# Altium PCB PowerElec.PcbDoc (part 1 of 2) (continued)
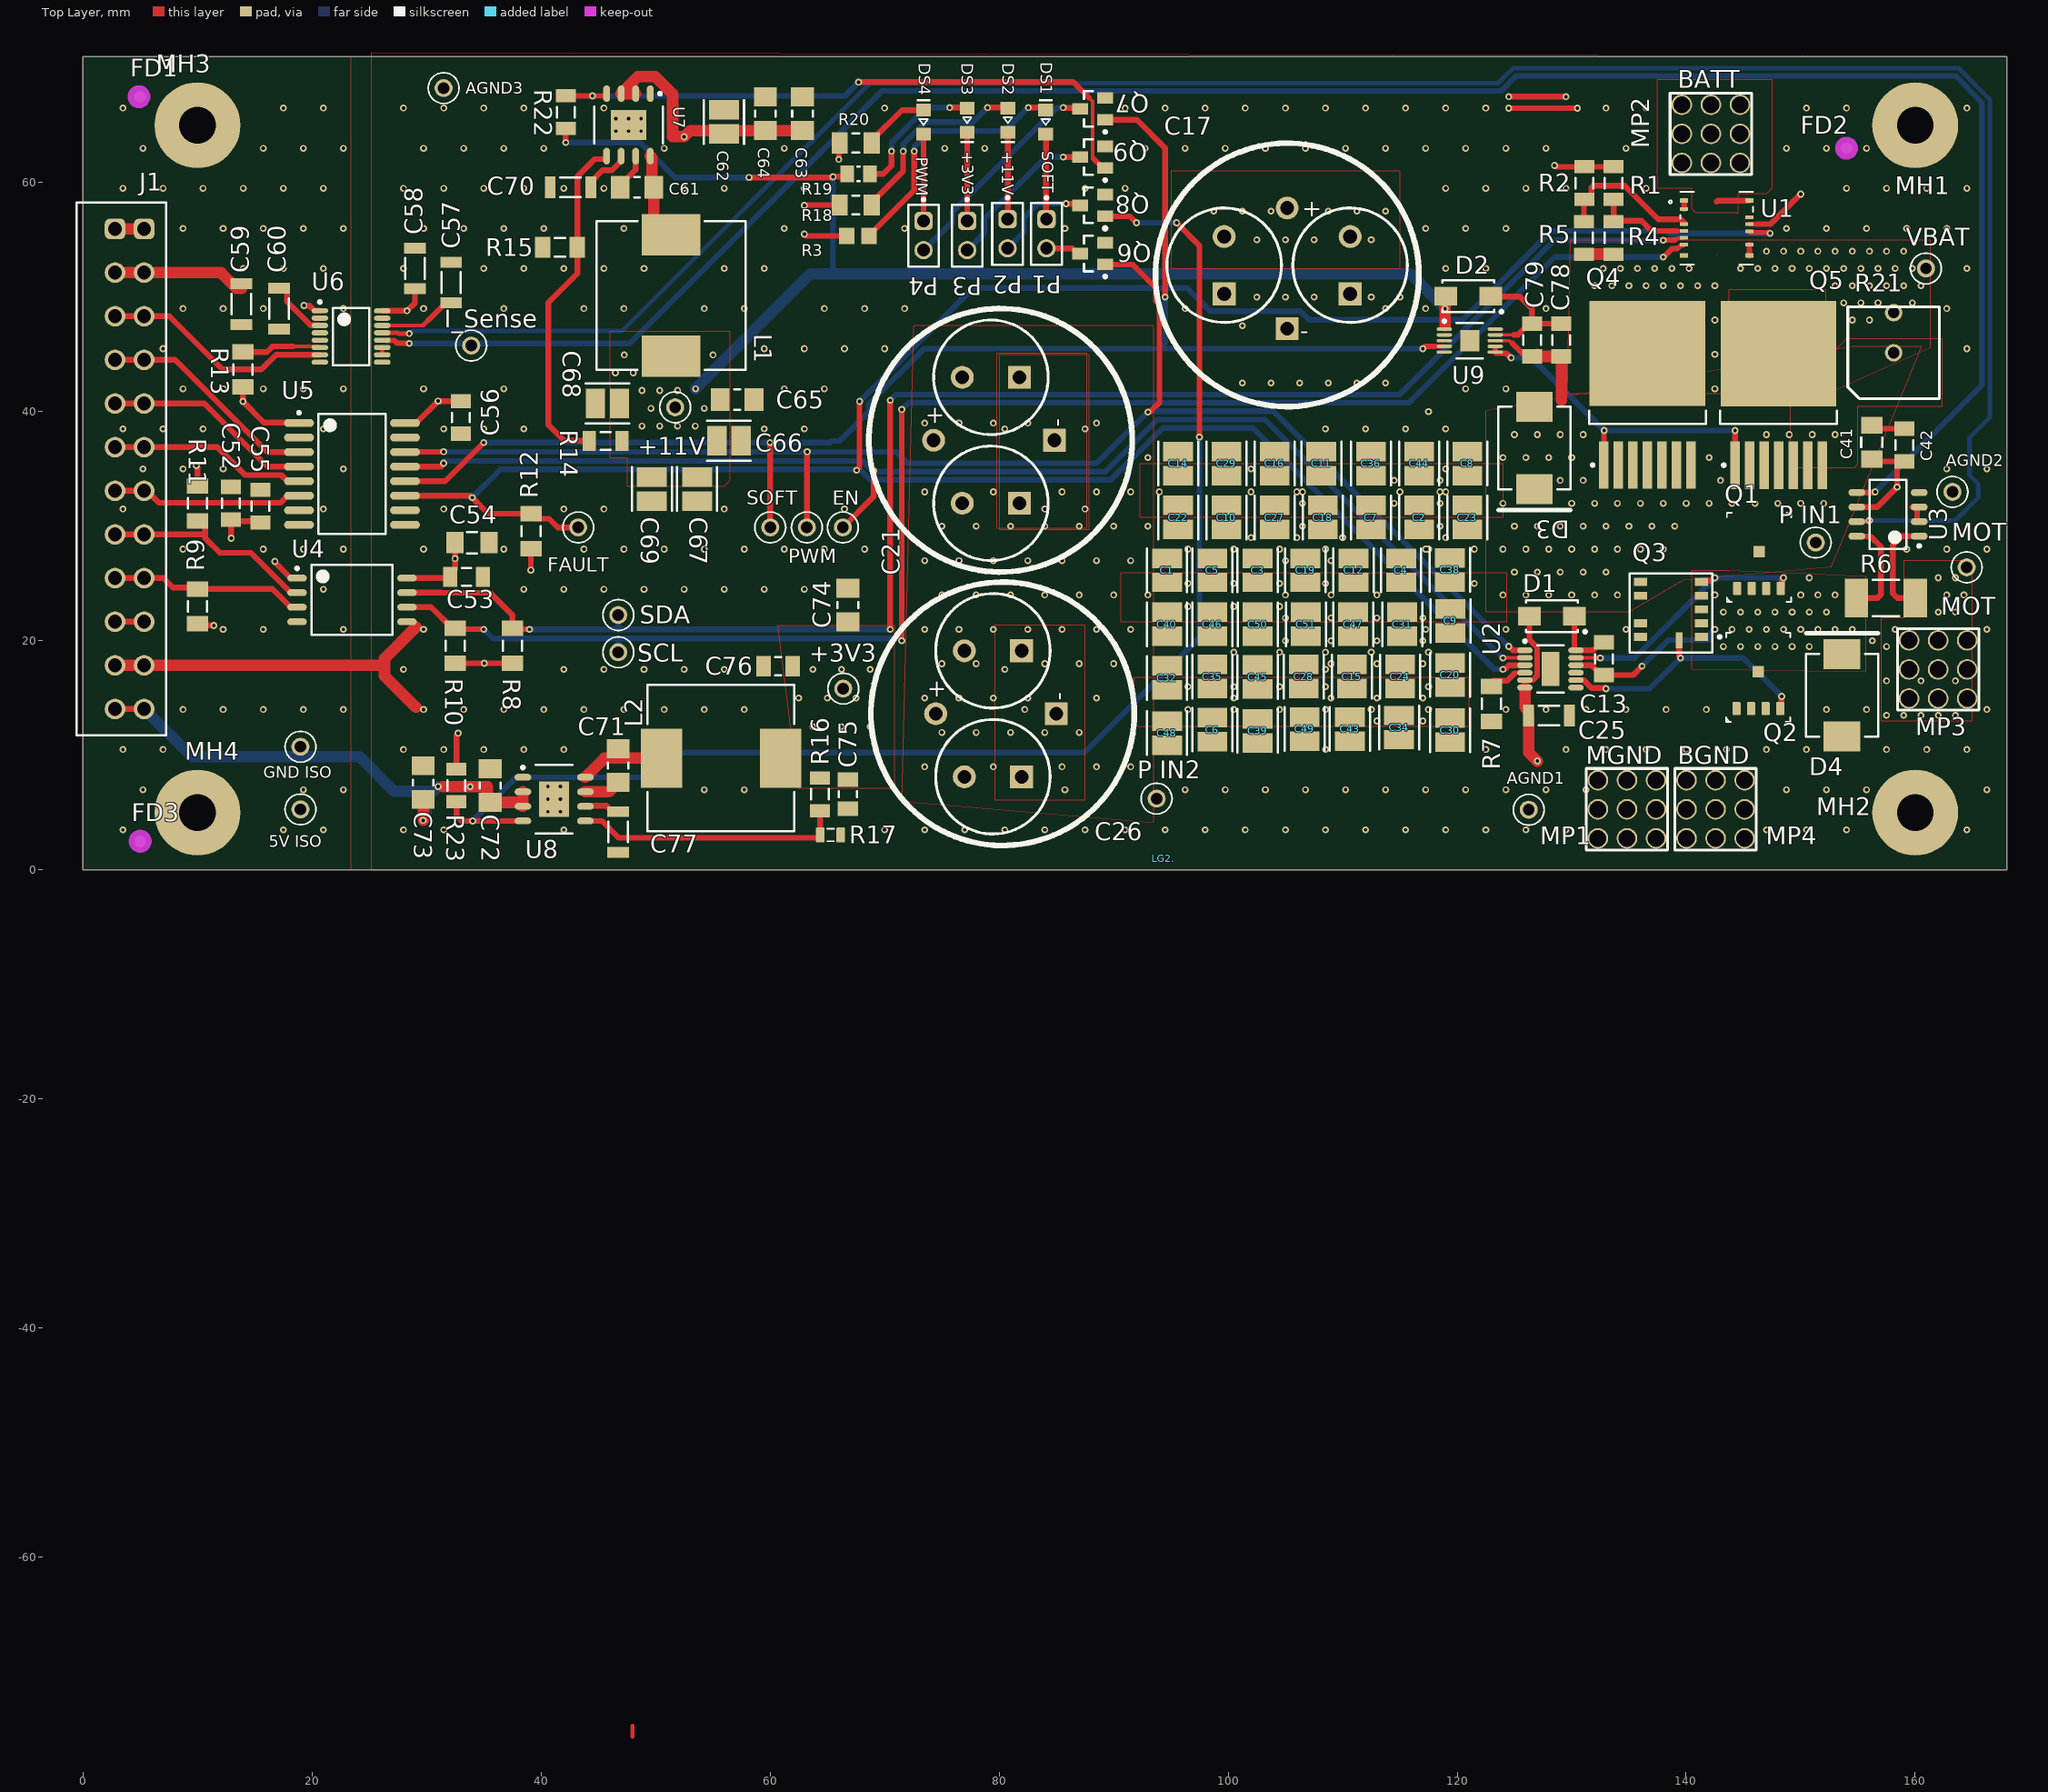
[diagram p0: Top Layer view]
## Design rules (kind name [scope] priority, off if disabled: settings) (continued)
PasteMaskExpansion [All] p0: scope1count=1 scope1_0_kind=Board scope1_0_value=Board scope2count=1 scope2_0_kind=Board scope2_0_value=Board commentlength=0 expansion=0
PlaneClearance [All] p0: scope1count=1 scope1_0_kind=Board scope1_0_value=Board scope2count=1 scope2_0_kind=Board scope2_0_value=Board commentlength=0 clearance=0.508
PlaneConnect [All] p0: scope1count=1 scope1_0_kind=Board scope1_0_value=Board scope2count=1 scope2_0_kind=Board scope2_0_value=Board commentlength=0 planeconnectstyle=Direct reliefexpansion=0.508 reliefentries=4 reliefconductorwidth=0.254 reliefairgap=0.254
PlaneConnect [All] p1: planeconnectstyle=Direct reliefexpansion=0.508 reliefentries=4 reliefconductorwidth=0.254 reliefairgap=0.254
PolygonConnect [All] p0: scope1count=1 scope1_0_kind=Board scope1_0_value=Board scope2count=1 scope2_0_kind=Board scope2_0_value=Board commentlength=0 connectstyle=Direct reliefconductorwidth=0.254 reliefentries=4 polygonreliefangle="90 Angle"
PolygonConnect [All] p1: connectstyle=Direct reliefconductorwidth=0.254 reliefentries=4 polygonreliefangle="90 Angle" airgapwidth=0.254
RoutingCorners [All] p0: scope1count=1 scope1_0_kind=Board scope1_0_value=Board scope2count=1 scope2_0_kind=Board scope2_0_value=Board commentlength=0 cornerstyle=45-Degree minsetback=2.54 maxsetback=2.54
RoutingLayers [All] p0: scope1count=1 scope1_0_kind=Board scope1_0_value=Board scope2count=1 scope2_0_kind=Board scope2_0_value=Board commentlength=0 top layer=Automatic mid layer 1=Automatic mid layer 2=Automatic bottom layer=Automatic
RoutingPriority [All] p0: scope1count=1 scope1_0_kind=Board scope1_0_value=Board scope2count=1 scope2_0_kind=Board scope2_0_value=Board commentlength=0
RoutingTopology [All] p0: scope1count=1 scope1_0_kind=Board scope1_0_value=Board scope2count=1 scope2_0_kind=Board scope2_0_value=Board commentlength=0 topology=Shortest
RoutingVias [All] p0: scope1count=1 scope1_0_kind=Board scope1_0_value=Board scope2count=1 scope2_0_kind=Board scope2_0_value=Board commentlength=0 holewidth=0.305 width=0.61 viastyle="Through Hole" minholewidth=0.305 minwidth=0.61 maxholewidth=0.61 maxwidth=1.219
RoutingVias [All] p1: holewidth=0.305 width=0.61 viastyle="Through Hole" minholewidth=0.305 minwidth=0.61 maxholewidth=0.61 maxwidth=1.219
ShortCircuit [All] p0: scope1count=1 scope1_0_kind=Board scope1_0_value=Board scope2count=1 scope2_0_kind=Board scope2_0_value=Board commentlength=0 allowed=FALSE
SilkToBoardRegionClearance [All] p0: scope1count=1 scope1_0_kind=Board scope1_0_value=Board scope2count=1 scope2_0_kind=Board scope2_0_value=Board commentlength=0
SilkToSilkClearance [All] p0: scope1count=1 scope1_0_kind=Board scope1_0_value=Board scope2count=1 scope2_0_kind=Board scope2_0_value=Board commentlength=0
SilkToSolderMaskClearance [All] p0 off: scope1count=1 scope1_0_kind=Board scope1_0_value=Board scope2count=1 scope2_0_kind=Board scope2_0_value=Board commentlength=44 // Protel DXP Scope 1 Expression Was: IsPad
SolderMaskExpansion SolderMaskExpansion_ADuM3190 [All] p0: scope1count=1 scope1_0_kind=Component scope1_0_value=U6 scope2count=1 scope2_0_kind=Board scope2_0_value=Board commentlength=0 expansion=0.025
SolderMaskExpansion SolderMaskExpansion_LTC7004 [All] p0: scope1count=1 scope1_0_kind=Component scope1_0_value=U9 scope2count=1 scope2_0_kind=Board scope2_0_value=Board commentlength=0 expansion=0.051
SolderMaskExpansion SolderMaskExpansion_LTC7063 [All] p0: scope1count=1 scope1_0_kind=Component scope1_0_value=U2 scope2count=1 scope2_0_kind=Board scope2_0_value=Board commentlength=0 expansion=0.025
SolderMaskExpansion [All] p0: scope1count=1 scope1_0_kind=Board scope1_0_value=Board scope2count=1 scope2_0_kind=Board scope2_0_value=Board commentlength=0 expansion=0.102
SolderMaskExpansion SolderMaskExpansion_LTC7004 [InComponent('U9')] p1: expansion=0.051 istentingtop=FALSE
SolderMaskExpansion SolderMaskExpansion_LTC7063 [InComponent('U2')] p2: expansion=0.025 istentingtop=FALSE
SolderMaskExpansion SolderMaskExpansion_ADuM3190 [InComponent('U6')] p3: expansion=0.025 istentingtop=FALSE
SolderMaskExpansion [All] p4: expansion=0.102 istentingtop=FALSE
SupplyNets "Schematic Supply Nets_2" [All] p0: scope1count=1 scope1_0_kind=Net scope1_0_value="+5V ISO" scope2count=1 scope2_0_kind=Board scope2_0_value=Board commentlength=0 voltage=0.000
SupplyNets "Schematic Supply Nets_4" [All] p0: scope1count=1 scope1_0_kind=Net scope1_0_value=+11V scope2count=1 scope2_0_kind=Board scope2_0_value=Board commentlength=0 voltage=0.000
SupplyNets "Schematic Supply Nets_9" [All] p0: scope1count=1 scope1_0_kind=Net scope1_0_value=P_IN scope2count=1 scope2_0_kind=Board scope2_0_value=Board commentlength=0 voltage=0.000
SupplyNets "Schematic Supply Nets_7" [All] p0: scope1count=1 scope1_0_kind=Net scope1_0_value="GND ISO" scope2count=1 scope2_0_kind=Board scope2_0_value=Board commentlength=0 voltage=0.000
SupplyNets "Schematic Supply Nets_3" [All] p0: scope1count=1 scope1_0_kind=Net scope1_0_value=+3V3 scope2count=1 scope2_0_kind=Board scope2_0_value=Board commentlength=0 voltage=0.000
SupplyNets "Schematic Supply Nets_1" [All] p0: scope1count=1 scope1_0_kind=Net scope1_0_value=AGND scope2count=1 scope2_0_kind=Board scope2_0_value=Board commentlength=0 voltage=0.000
SupplyNets "Schematic Supply Nets" [All] p0: scope1count=1 scope1_0_kind=Net scope1_0_value=VBat scope2count=1 scope2_0_kind=Board scope2_0_value=Board commentlength=0 voltage=0.000
SupplyNets "Schematic Supply Nets_2" [InNet('+5V ISO')] p1: voltage=0.000
SupplyNets "Schematic Supply Nets_4" [InNet('+11V')] p2: voltage=0.000
SupplyNets "Schematic Supply Nets_9" [InNet('P_IN')] p3: voltage=0.000
SupplyNets "Schematic Supply Nets_7" [InNet('GND ISO')] p4: voltage=0.000
SupplyNets "Schematic Supply Nets_3" [InNet('+3V3')] p5: voltage=0.000
SupplyNets "Schematic Supply Nets_1" [InNet('AGND')] p6: voltage=0.000
SupplyNets "Schematic Supply Nets" [InNet('VBat')] p7: voltage=0.000
UnRoutedNet [All] p0: scope1count=1 scope1_0_kind=Board scope1_0_value=Board scope2count=1 scope2_0_kind=Board scope2_0_value=Board commentlength=0
UnpouredPolygon [All] p0: scope1count=1 scope1_0_kind=Board scope1_0_value=Board scope2count=1 scope2_0_kind=Board scope2_0_value=Board commentlength=0
Width [All] p0: scope1count=1 scope1_0_kind=Board scope1_0_value=Board scope2count=1 scope2_0_kind=Board scope2_0_value=Board commentlength=0 maxlimit=1 minlimit=0.254 preferedwidth=0.5
Width [All] p1: maxlimit=1 minlimit=0.254 preferedwidth=0.5
28 further rules are at their usual default settings.

## Classes and differential pairs
component class Mechanical: FD1 FD2 FD3 LG1 LG2 LG2. MH1 MH2 MH3 MH4
component class Isolation: C52 C53 C54 C55 C56 C57 C58 C59 C60 "GND ISO" R8 R9 R10 R11 R12 R13 U4 U5 U6
component class "Soft Start": C78 C79 D2 DS4 P4 Q4 Q5 Q7 R20 R21 U9
component class "Power Supply": +3V3 +11V C61 C62 C63 C64 C65 C66 C67 C68 C69 C70 C71 C72 C73 C74 C75 C76 C77 DS2 DS3 L1 L2 P2 P3 Q8 Q9 R14 R15 R16 R17 R18 R19 R22 R23 U7 U8
component class "Power Stage": C1 C2 C3 C4 C5 C6 C7 C8 C9 C10 C11 C12 C13 C14 C15 C16 C17 C18 C19 C20 C21 C22 C23 C24 C25 C26 C27 C28 C29 C30 C31 C32 C34 C35 C36 C38 C39 C40 C41 C42 C43 C44 C45 C46 C47 C48 C49 C50 C51 D1 D3 D4 DS1 P1 Q1 Q2 Q3 Q6 R3 R6 R7 U2 U3
component class PE: AGND1 AGND2 AGND3 EN FAULT I_Sense J1 MOT MP1 MP2 MP3 MP4 "P IN1" "P IN2" PWM R1 R2 R4 R5 SCL SDA SOFT U1 VBAT

## Components (designator, comment, footprint, x,y, rotation, side; value= is the part's Value field where it differs from the comment)
"5V ISO" "5000" FP-5000-MFG 19,5.282 r180 top
+3V3 "5000" FP-5000-MFG 66.396,15.824 r90 top
+11V "5000" FP-5000-MFG 51.714,40.386 r0 top
AGND1 "5001" FP-5001-MFG 126.25,5.25 r0 top
AGND2 "5001" FP-5001-MFG 163.25,33 r0 top
AGND3 "5001" FP-5001-MFG 31.5,68.25 r180 top
C1 "GCM32EC71H106KA03L" FP-GCM32E-0_3-IPC_C 94.668,26.152 r90 top locked
C2 "GCM32EC71H106KA03L" FP-GCM32E-0_3-IPC_C 116.684,30.763 r90 top locked
C3 "GCM32EC71H106KA03L" FP-GCM32E-0_3-IPC_C 102.577,26.152 r90 top locked
C4 "GCM32EC71H106KA03L" FP-GCM32E-0_3-IPC_C 115.107,26.152 r90 top locked
C5 "GCM32EC71H106KA03L" FP-GCM32E-0_3-IPC_C 98.623,26.152 r270 top locked
C6 "GCM32EC71H106KA03L" FP-GCM32E-0_3-IPC_C 98.623,12.242 r270 top locked
C7 "GCM32EC71H106KA03L" FP-GCM32E-0_3-IPC_C 112.476,30.763 r270 top locked
C8 "GCM32EC71H106KA03L" FP-GCM32E-0_3-IPC_C 120.892,35.475 r270 top locked
C9 "GCM32EC71H106KA03L" FP-GCM32E-0_3-IPC_C 119.415,21.73 r270 top locked
C10 "GCM32EC71H106KA03L" FP-GCM32E-0_3-IPC_C 99.852,30.763 r270 top locked
C11 "GCM32EC71H106KA03L" FP-GCM32E-0_3-IPC_C 108.14,35.475 r270 top locked
C12 "GCM32EC71H106KA03L" FP-GCM32E-0_3-IPC_C 110.952,26.152 r90 top locked
C13 "C1206C104K1RACTU" CAPC3216X06N 132.824,18.429 r90 top locked
C14 "GCM32EC71H106KA03L" FP-GCM32E-0_3-IPC_C 95.644,35.475 r90 top locked
C15 "GCM32EC71H106KA03L" FP-GCM32E-0_3-IPC_C 110.808,16.88 r270 top locked
C16 "GCM32EC71H106KA03L" FP-GCM32E-0_3-IPC_C 104.06,35.475 r90 top locked
C17 "UVR1J472MRD" UVR1J472MRD-Footprint-1 105.156,57.785 r0 top locked
C18 "GCM32EC71H106KA03L" FP-GCM32E-0_3-IPC_C 108.268,30.763 r270 top locked
C19 "GCM32EC71H106KA03L" FP-GCM32E-0_3-IPC_C 106.744,26.152 r270 top locked
C20 "GCM32EC71H106KA03L" FP-GCM32E-0_3-IPC_C 119.38,17.018 r90 top locked
C21 "UVR1J472MRD" UVR1J472MRD-Footprint-1 74.288,37.504 r90 top locked
C22 "GCM32EC71H106KA03L" FP-GCM32E-0_3-IPC_C 95.644,30.763 r270 top locked
C23 "GCM32EC71H106KA03L" FP-GCM32E-0_3-IPC_C 120.892,30.763 r90 top locked
C24 "GCM32EC71H106KA03L" FP-GCM32E-0_3-IPC_C 115.016,16.88 r90 top locked
C25 "CL31B105KBHNNNE" CAPC3216X180X20ML20 128.016,13.462 r180 top locked
C26 "UVR1J472MRD" UVR1J472MRD-Footprint-1 74.464,13.628 r90 top locked
C27 "GCM32EC71H106KA03L" FP-GCM32E-0_3-IPC_C 104.06,30.763 r270 top locked
C28 "GCM32EC71H106KA03L" FP-GCM32E-0_3-IPC_C 106.6,16.88 r270 top locked
C29 "GCM32EC71H106KA03L" FP-GCM32E-0_3-IPC_C 99.852,35.475 r90 top locked
C30 "GCM32EC71H106KA03L" FP-GCM32E-0_3-IPC_C 119.38,12.192 r270 top locked
C31 "GCM32EC71H106KA03L" FP-GCM32E-0_3-IPC_C 115.207,21.439 r90 top locked
C32 "GCM32EC71H106KA03L" FP-GCM32E-0_3-IPC_C 94.669,16.764 r90 top locked
C34 "GCM32EC71H106KA03L" FP-GCM32E-0_3-IPC_C 114.928,12.422 r270 top locked
C35 "GCM32EC71H106KA03L" FP-GCM32E-0_3-IPC_C 98.623,16.88 r270 top locked
C36 "GCM32EC71H106KA03L" FP-GCM32E-0_3-IPC_C 112.476,35.475 r90 top locked
C38 "GCM32EC71H106KA03L" FP-GCM32E-0_3-IPC_C 119.366,26.189 r90 top locked
C39 "GCM32EC71H106KA03L" FP-GCM32E-0_3-IPC_C 102.577,12.139 r90 top locked
C40 "GCM32EC71H106KA03L" FP-GCM32E-0_3-IPC_C 94.668,21.439 r270 top locked
C41 "CL31B102KGFNNNE" FP-CL31-IPC_A 156.21,37.338 r90 top locked
C42 "C1206C104K1RACTU" CAPC3216X06N 159.043,37.084 r90 top locked
C43 "GCM32EC71H106KA03L" FP-GCM32E-0_3-IPC_C 110.634,12.289 r270 top locked
C44 "GCM32EC71H106KA03L" FP-GCM32E-0_3-IPC_C 116.684,35.475 r270 top locked
C45 "GCM32EC71H106KA03L" FP-GCM32E-0_3-IPC_C 102.577,16.839 r90 top locked
C46 "GCM32EC71H106KA03L" FP-GCM32E-0_3-IPC_C 98.623,21.439 r270 top locked
C47 "GCM32EC71H106KA03L" FP-GCM32E-0_3-IPC_C 110.917,21.439 r90 top locked
C48 "GCM32EC71H106KA03L" FP-GCM32E-0_3-IPC_C 94.669,11.938 r270 top locked
C49 "GCM32EC71H106KA03L" FP-GCM32E-0_3-IPC_C 106.68,12.289 r270 top locked
C50 "GCM32EC71H106KA03L" FP-GCM32E-0_3-IPC_C 102.587,21.439 r90 top locked
C51 "GCM32EC71H106KA03L" FP-GCM32E-0_3-IPC_C 106.795,21.439 r270 top locked
C52 "C1206C104K1RACTU" CAPC3216X06N 12.94,32.004 r270 top locked
C53 "C1206C104K1RACTU" CAPC3216X06N 33.5,25.565 r180 top locked
C54 "CL31B102KGFNNNE" FP-CL31-IPC_A 33.976,28.565 r180 top locked
C55 "C1206C104K1RACTU" CAPC3216X06N 15.494,31.75 r270 top locked
C56 "C1206C104K1RACTU" CAPC3216X06N 33,39.5 r90 top locked
C57 "CL31B105KBHNNNE" CAPC3216X180X20ML20 32.154,51.275 r270 top locked
C58 "CL31B105KBHNNNE" CAPC3216X180X20ML20 29,52.5 r270 top locked
C59 "CL31B105KBHNNNE" CAPC3216X180X20ML20 13.846,49.392 r90 top locked
C60 "CL31B105KBHNNNE" CAPC3216X180X20ML20 17.124,49 r90 top locked
C61 "CL31B104KBCNNNC" CAPC3216X190X55ML30T25 48.384,59.581 r0 top locked
C62 "GCM32EC71H106KA03L" FP-GCM32E-0_3-IPC_C 55.979,65.293 r270 top locked
C63 "CL31B104KBCNNNC" CAPC3216X190X55ML30T25 62.837,66.015 r270 top locked
C64 "CL31B104KBCNNNC" CAPC3216X190X55ML30T25 59.583,66.015 r270 top locked
C65 "CL31B104KBCNNNC" CAPC3216X190X55ML30T25 57.128,41.063 r180 top locked
C66 "GCM32EC71H106KA03L" FP-GCM32E-0_3-IPC_C 56.405,37.459 r180 top locked
C67 "GCM32EC71H106KA03L" FP-GCM32E-0_3-IPC_C 53.633,33.253 r90 top locked
C68 "GCM32EC71H106KA03L" FP-GCM32E-0_3-IPC_C 45.804,40.713 r0 top locked
C69 "GCM32EC71H106KA03L" FP-GCM32E-0_3-IPC_C 49.679,33.253 r90 top locked
C70 "CL31B105KBHNNNE" CAPC3216X180X20ML20 42.58,59.581 r0 top locked
C71 "CL31B104KBCNNNC" CAPC3216X190X55ML30T25 46.736,9.109 r90 top locked
C72 "CL31B104KBCNNNC" CAPC3216X190X55ML30T25 35.56,7.366 r270 top locked
C73 "CL31B104KBCNNNC" CAPC3216X190X55ML30T25 29.718,7.62 r270 top locked
C74 "CL31B104KBCNNNC" CAPC3216X190X55ML30T25 66.802,23.114 r270 top locked
C75 "CL31A476MPHNNNE" CAPC3216X190X55LL30T25 66.802,6.604 r90 top locked
C76 "CL31A476MPHNNNE" CAPC3216X190X55LL30T25 60.706,17.78 r0 top locked
C77 "CL31B105KBHNNNE" CAPC3216X180X20ML20 46.736,3.305 r90 top locked
C78 "C1206C104K1RACTU" CAPC3216X06N 129.091,46.253 r90 top locked
C79 "C1206C104K1RACTU" CAPC3216X06N 126.537,46.253 r90 top locked
D1 "SS210" DIOM4226X24N 128.27,22.146 r180 top locked
D2 "SS210" DIOM4226X24N 120.972,50.082 r180 top locked
D3 "SMCJ28A" FAIR-DO-214AB-2_V 126.746,36.83 r270 top locked
D4 "SMCJ28A" FAIR-DO-214AB-2_V 153.605,15.24 r90 top locked
DS1 "KT-0805G" WL-SMCW_0805_150080xx75000 84.074,65.278 r270 top locked
DS2 "NCD0805R1" "Copy of WL-SMCW_0805_150080xx75000" 80.772,65.453 r90 top locked
DS3 "NCD0805R1" "Copy of WL-SMCW_0805_150080xx75000" 77.216,65.453 r90 top locked
DS4 "KT-0805G" WL-SMCW_0805_150080xx75000 73.406,65.278 r270 top locked
EN "5002" FP-5002-MFG 66.36,29.896 r0 top
FAULT "5002" FP-5002-MFG 43.25,29.896 r180 top
FD1 "FID1X2R" FID1X2R#1 4.894,67.5 r0 top locked
FD2 "FID1X2R" FID1X2R#2 154,63 r90 top locked
FD3 "FID1X2R" FID1X2R#2 5,2.5 r90 top locked
"GND ISO" "5001" FP-5001-MFG 19,10.75 r180 top
I_Sense "5002" FP-5002-MFG 33.909,45.771 r180 top
J1 "691309310012" 691309310012 0,35 r270 top locked
L1 "SRR1208-220ML" INDP127127X85N 51.356,50.142 r270 top locked
L2 "SRR1260A-5R6Y" INDP125125X60N 55.715,9.758 r0 top locked
LG1 "SEM LOGO" "SEM LOGO-Footprint-1" 61,4 r180 bottom
LG2 "Geec Logo" "Geec Logo-Footprint-1" 38,40 r180 bottom
LG2. "Geec Logo" "Geec Logo-Footprint-1" 94.323,1 r0 top
MH1 "M3 Hole" "M3 Hole-Footprint-1"#1 160,65 r0 top locked
MH2 "M3 Hole" "M3 Hole-Footprint-1"#1 160,5 r0 top locked
MH3 "M3 Hole" "M3 Hole-Footprint-1"#1 10,65 r0 top locked
MH4 "M3 Hole" "M3 Hole-Footprint-1"#2 12.5,5 r0 top locked
MOT "5000" FP-5000-MFG 164.49,26.416 r0 top
MP1 "7461001" "7461001_chemical surface" 134.827,5.289 r90 top locked
MP2 "7461001" "7461001_chemical surface" 142.156,64.254 r0 top locked
MP3 "7461001" "7461001_chemical surface" 162,17.5 r90 top locked
MP4 "7461001" "7461001_chemical surface" 142.567,5.289 r0 top locked
P1 "61300211121" 61300211121 84.139,55.531 r270 top locked
P2 "61300211121" 61300211121 80.745,55.531 r270 top locked
P3 "61300211121" 61300211121 77.216,55.372 r270 top locked
P4 "61300211121" 61300211121 73.406,55.372 r270 top locked
"P IN1" "5000" FP-5000-MFG 151.308,28.575 r0 top
"P IN2" "5000" FP-5000-MFG 93.755,6.223 r0 top
PWM "5002" FP-5002-MFG 63.215,29.896 r0 top
Q1 "PSMN1R0-30YLDX" NXP-SOT669_L 144.452,24.491 r90 top locked
Q2 "PSMN1R0-30YLDX" NXP-SOT669_L 144.399,14.01 r90 top locked
Q3 "ISG0613N04NM6H" IFX-PG-VITFN-10-1-V 138.675,22.584 r180 top locked
Q4 "IPB014N06NATMA1" INF-PG-TO263-7-1_M 136.612,41.488 r90 top locked
Q5 "IPB014N06NATMA1" INF-PG-TO263-7-1_M 148.066,41.477 r90 top locked
Q6 "BSS138" FAIR-SOT23-3_V 88.166,53.798 r180 top locked
Q7 "BSS138" FAIR-SOT23-3_V 88.166,66.424 r180 top locked
Q8 "BSS138" FAIR-SOT23-3_V 88.166,58.007 r180 top locked
Q9 "BSS138" FAIR-SOT23-3_V 88.166,62.215 r180 top locked
R1 "1206W4F0000T5E" RESC3216X60X45NL15T20 133.666,59.957 r90 top locked
R2 "1206W4F0000T5E" RESC3216X60X45NL15T20 131.112,59.957 r90 top locked
R3 "0805W8F470JT5E" RESC2013X70X40ML20T20 67.681,55.345 r0 top locked
R4 "1206W4F0000T5E" RESC3216X60X45NL15T20 133.666,55.177 r90 top locked
R5 "1206W4F0000T5E" RESC3216X60X45NL15T20 131.066,55.177 r90 top locked
R6 "CHSA2512R0010F" RESC6331X09N 157.44,23.735 r0 top locked
R7 "1206W4F1002T5E" RESC3216X60X45ML15T20 123,14.5 r90 top locked
R8 "1206W4F1002T5E" RESC3216X60X45ML15T20 37.5,19.565 r270 top locked
R9 "1206W4F1002T5E" RESC3216X60X45ML15T20 10,32 r90 top locked
R10 "1206W4F1002T5E" RESC3216X60X45ML15T20 32.5,19.565 r270 top locked
R11 "1206W4F1002T5E" RESC3216X60X45ML15T20 10,23 r270 top locked
R12 "1206W4F1002T5E" RESC3216X60X45ML15T20 39.141,29.565 r270 top locked
R13 "1206W4F1002T5E" RESC3216X60X45ML15T20 13.97,43.688 r270 top locked
R14 "1206W4F1003T5E" RESC3216X60X45NL15T20 45.645,37.459 r0 top locked
R15 "1206W4F1002T5E" RESC3216X60X45ML15T20 41.657,54.356 r0 top locked
R16 "1206W4F1003T5E" RESC3216X60X45NL15T20 64.348,6.604 r90 top locked
R17 "0805W8F4302T5E" RESC0805(2012)_L 65.278,3.048 r180 top locked
R18 "1206W4F3000T5E" RESC3216X89X51NL25T25 67.481,58.049 r0 top locked
R19 "0805W8F3901T5E" RESC2013X60X35ML10T20 67.731,60.753 r180 top locked
R20 "1206W4F3000T5E" RESC3216X89X51NL25T25 67.481,63.457 r0 top locked
R21 "1623730-2" 1623730-2-Footprint-1 158.115,45.141 r90 top locked
R22 "1206W4F1003T5E" RESC3216X60X45NL15T20 42.172,66.145 r270 top locked
R23 "1206W4F1003T5E" RESC3216X60X45NL15T20 32.622,7.366 r90 top locked
SCL "5002" FP-5002-MFG 46.75,19 r0 top
SDA "5002" FP-5002-MFG 46.75,22.25 r0 top
SOFT "5002" FP-5002-MFG 60.021,29.896 r180 top
U1 "INA780BIDEKR" VQFN15_DEK_TEX 142.666,56.027 r0 top locked
U2 "LTC7063RMSE#PBF" TSOP65P490X110_HS-13N 128.145,17.541 r0 top locked
U3 "AD8411AWBRZ" SOIC127P600X175-8N 157.621,31.035 r180 top locked
U4 "ADUM1252AWA+" SOIC127P1030X265-8N 23.5,23.565 r0 top locked
U5 "ADUM1411BRWZ" ADI-RW-16_M 23.5,34.565 r0 top locked
U6 "ADUM3190BRQZ" SOP64P600X175-16N 23.416,46.565 r0 top locked
U7 "LMR33630ADDAR" SOIC127P600X170_HS-9N 47.641,65.036 r270 top locked
U8 "LMR33630ADDAR" SOIC127P600X170_HS-9N 41.148,6.178 r0 top locked
U9 "LTC7004EMSE#PBF" TSSOP50P490X110_HS-11N 121.101,46.203 r0 top locked
VBAT "5000" FP-5000-MFG 160.934,52.502 r0 top

## Footprints (in the part's own frame and the unit in brackets; to place one, negate y for a bottom-side part, rotate by r counter-clockwise, add the part's x,y. Pads: shape width x height; smd on the part's side, far side on the other; paste and mask are expansions set on the pad)
1623730-2-Footprint-1 [mil]
  round 60 hole 39.37: 1(0,0) 2(137.8,0)
  silkscreen extent -157,-157 157,157
"7461001_chemical surface" [mm] "M5, thread 8mm"
  round 1.8 hole 1.475: 1(-2.54,-2.54) 1(-2.54,0) 1(-2.54,2.54) 1(0,2.54) 1(0,0) 1(0,-2.54) 1(2.54,-2.54) 1(2.54,0) 1(2.54,2.54)
  silkscreen extent -3.56,-3.56 3.56,3.56
61300211121 [mm] "Pin Header, pitch 2.54 mm, THT, Vertical, single row, 2p"
  rrect50% 1.6x1.6 hole 1.1: 1(-1.27,0)
  round 1.6 hole 1.1: 2(1.27,0)
  silkscreen extent -3.26,-1.35 2.69,1.35
691309310012 [mm] "Horizontal Reserved PCB Header, pitch 3.81mm, 12p"
  rrect50% 1.8x1.8 hole 1.2: 1A(-20.955,5.35) 1B(-20.955,2.81)
  round 1.8 hole 1.2: 2A(-17.145,5.35) 2B(-17.145,2.81) 3A(-13.335,5.35) 3B(-13.335,2.81) 4A(-9.525,5.35) 4B(-9.525,2.81) 5A(-5.715,5.35) 5B(-5.715,2.81) 6A(-1.905,5.35) 6B(-1.905,2.81) 7A(1.905,5.35) 7B(1.905,2.81) 8A(5.715,5.35) 8B(5.715,2.81) 9A(9.525,5.35) 9B(9.525,2.81) 10A(13.335,5.35) 10B(13.335,2.81) 11A(17.145,5.35) 11B(17.145,2.81) 12A(20.955,5.35) 12B(20.955,2.81)
  silkscreen extent -23.26,-0.55 23.25,7.25
ADI-RW-16_M [mm] "SOIC, 16-Leads, Body 10.3x7.5mm, Pitch 1.27mm, IPC Low Density"
  oval 2.6x0.7 smd: 1(-4.625,4.445) 2(-4.625,3.175) 3(-4.625,1.905) 4(-4.625,0.635) 5(-4.625,-0.635) 6(-4.625,-1.905) 7(-4.625,-3.175) 8(-4.625,-4.445) 9(4.625,-4.445) 10(4.625,-3.175) 11(4.625,-1.905) 12(4.625,-0.635) 13(4.625,0.635) 14(4.625,1.905) 15(4.625,3.175) 16(4.625,4.445)
  silkscreen extent -4.75,-5.25 2.93,5.47
CAPC3216X06N [mm] "Chip Capacitor, 2-Leads, Body 3.20x1.60mm, IPC Medium Density"
  rect 1.25x1.75 smd: 1(-1.425,0) 2(1.425,0)
  silkscreen extent -0.4,-0.77 0.4,0.78
CAPC3216X180X20ML20 [mm] "Chip Capacitor, 2-Leads, Body 3.40x1.80mm, IPC Low Density"
  rect 0.95x1.9 smd: 1(-1.775,0) 2(1.775,0)
  silkscreen extent -0.9,-0.85 0.9,0.85
CAPC3216X190X55LL30T25 [mm] "Chip Capacitor, 2-Leads, Body 3.5x1.9mm, IPC High Density"
  rect 1.25x1.8 smd: 1(-1.275,0) 2(1.275,0)
  silkscreen extent -0.25,-0.8 0.25,0.8
CAPC3216X190X55ML30T25 [mm] "Chip Capacitor, 2-Leads, Body 3.5x1.9mm, IPC Low Density"
  rect 1.65x2 smd: 1(-1.475,0) 2(1.475,0)
  silkscreen extent -0.25,-0.9 0.25,0.9
"Copy of WL-SMCW_0805_150080xx75000" [mm] "SMD Mono-color Chip LED, body 2.0x1.25mm"
  rect 1.1x1.3 smd: 1(-1.05,0) 2(1.05,0)
  silkscreen extent -2,-0.6 0.25,0.6
DIOM4226X24N [mm] "Molded Diode, 2-Leads, Body 4.15x2.55mm, IPC Medium Density"
  rect 2x1.6 smd: 1(-1.965,0) 2(1.965,0)
  silkscreen extent -3.03,-1.4 2.25,1.47
FAIR-DO-214AB-2_V [mm] "Molded Diode, 2-Leads, Body 7.15x6.25mm"
  rect 2.6x3.2 smd: 1(-3.6,0) 2(3.6,0)
  silkscreen extent -3.6,-3.15 5.4,3.15
FAIR-SOT23-3_V [mm] "SOT23, 3-Leads, Body 3.12x1.5mm, Pitch 0.95mm"
  rect 1.4x1 smd: 1(-1.1,0.95) 2(-1.1,-0.95) 3(1.1,0)
  silkscreen extent -1.23,-1.55 0.75,2.12
FID1X2R#1 [mm] "Fiducial - Round 1x2mm"
  round 1 smd paste-0.5 mask+0: 0(0.106,0)
  Top Layer keep-out circle w1: c0,0 r0.5
FID1X2R#2 [mm] "Fiducial - Round 1x2mm"
  round 1 smd paste-0.5 mask+0: 0(0,0)
  Top Layer keep-out circle w1: c0,0 r0.5
FP-5000-MFG [mm]
  round 1.57 hole 1.02 paste+0 mask+0: 1(0,0)
  silkscreen extent -1.35,-1.34 1.35,1.34
FP-5001-MFG [mm]
  round 1.57 hole 1.016 paste+0 mask+0: 1(0,0)
  silkscreen extent -1.35,-1.34 1.35,1.34
FP-5002-MFG [mm]
  round 1.57 hole 1.02 paste+0 mask+0: 1(0,0)
  silkscreen extent -1.35,-1.34 1.35,1.34
FP-CL31-IPC_A [mm]
  rect 1.505x1.858 smd paste+0 mask+0: 1(-1.476,0) 2(1.476,0)
  silkscreen extent -0.42,-0.93 0.42,0.93
FP-GCM32E-0_3-IPC_C [mm]
  rect 1.703x2.606 smd paste+0 mask+0: 1(-1.051,0) 2(1.051,0)
  silkscreen extent -1.9,-1.75 1.9,1.75
"Geec Logo-Footprint-1" [mm]
IFX-PG-VITFN-10-1-V [mm] "PG-VITFN-10-1, SMD, 1.20 mm pitch, 10 pin, 6.00 mm L X 6.30 mm W X 1.00 mm H body"
  rect 1.15x0.7 smd paste-0.575 mask+0: 1(-2.675,2.25) 2(-2.675,1.05) 3(-2.675,-0.15) 4(-2.675,-1.35) 5(-2.675,-2.55) 6(2.675,-2.55) 7(2.675,-1.35) 8(2.675,1.05) 9(2.675,2.25)
  rect 0.6x1.4 smd paste-0.06 mask+0: 10(-0.7,2.55)
  silkscreen extent -4.38,-3.3 3.6,3.6
INDP125125X60N [mm] "Precision Wire Wound Inductor, 2-Leads, Body 12.50x12.50mm, IPC Medium Density"
  rect 3.6x5.15 smd: 1(-5.2,0) 2(5.2,0)
  silkscreen extent -6.4,-6.4 6.4,6.4
INDP127127X85N [mm] "Precision Wire Wound Inductor, 2-Leads, Body 12.70x12.70mm, IPC Medium Density"
  rect 3.6x5.1 smd: 1(-5.3,0) 2(5.3,0)
  silkscreen extent -6.5,-6.5 6.5,6.5
INF-PG-TO263-7-1_M [mm] "DPAK, 8-Leads, Body 10x9.25mm, Pitch 1.27mm, IPC Low Density"
  rect 4.15x0.85 smd: 1(-6.15,3.81) 2(-6.15,2.54) 3(-6.15,1.27) 4(-6.15,0) 5(-6.15,-1.27) 6(-6.15,-2.54) 7(-6.15,-3.81)
  rect 9.2x10.1 smd: 8(3.6,0)
  silkscreen extent -6.27,-5.1 -1.4,5.1
"M3 Hole-Footprint-1"#1 [mm]
  round 7.5 hole 3.2: 1(0,0)
"M3 Hole-Footprint-1"#2 [mm]
  round 7.5 hole 3.2: 1(-2.5,0)
NXP-SOT669_L [mm] "DPAK, 4-Leads, Body 5x4.1mm, Pitch 1.27mm, IPC High Density"
  rrect25% 1.15x0.7 smd: 1(0.069,0) 2(0.069,-1.27) 3(0.069,-2.54) 4(0.069,-3.81)
  rrect0% 1x1 smd paste-1: 5(3.294,-1.905)
  silkscreen extent -1.11,-4.7 6.69,0.9
RESC0805(2012)_L [mm] "Chip Resistor, Body 2.0x1.3mm, IPC High Density"
  rrect25% 0.76x1.3 smd: 1(-0.9,0) 2(0.89,0)
  silkscreen extent -0.3,-0.55 0.3,0.55
RESC2013X60X35ML10T20 [mm] "Chip Resistor, 2-Leads, Body 2.1x1.35mm, IPC Low Density"
  rect 1.2x1.45 smd: 1(-1,0) 2(1,0)
  silkscreen extent -0.1,-0.63 0.1,0.63
RESC2013X70X40ML20T20 [mm] "Chip Resistor, 2-Leads, Body 2.2x1.35mm, IPC Low Density"
  rect 1.35x1.45 smd: 1(-0.975,0) 2(0.975,0)
RESC3216X60X45ML15T20 [mm] "Chip Resistor, 2-Leads, Body 3.3x1.75mm, IPC Low Density"
  rect 1.35x1.85 smd: 1(-1.525,0) 2(1.525,0)
  silkscreen extent -0.45,-0.82 0.45,0.83
RESC3216X60X45NL15T20 [mm] "Chip Resistor, 2-Leads, Body 3.3x1.75mm, IPC Medium Density"
  rect 1.15x1.75 smd: 1(-1.425,0) 2(1.425,0)
  silkscreen extent -0.45,-0.77 0.45,0.78
RESC3216X89X51NL25T25 [mm] "Chip Resistor, 2-Leads, Body 3.20x1.60mm, IPC Medium Density"
  rect 1.4x1.85 smd: 1(-1.4,0) 2(1.4,0)
  silkscreen extent -0.3,-0.83 0.3,0.82
RESC6331X09N [mm] "Chip Resistor, 2-Leads, Body 6.30x3.10mm, IPC Medium Density"
  rect 2.05x3.4 smd: 1(-2.575,0) 2(2.575,0)
  silkscreen extent -1.15,-1.6 1.15,1.6
"SEM LOGO-Footprint-1" [mm]
SOIC127P600X170_HS-9N [mm] "SOIC, 8-Leads, Body 5.40x3.90mm, Pitch 1.27mm, Thermal Pad 3.10x2.60mm, IPC Medium Density"
  oval 1.45x0.6 smd: 1(-2.725,1.905) 2(-2.725,0.635) 3(-2.725,-0.635) 4(-2.725,-1.905) 5(2.725,-1.905) 6(2.725,-0.635) 7(2.725,0.635) 8(2.725,1.905)
  rect 2.6x3.1 smd: 9(0,0)
  silkscreen extent -2.85,-3 1.6,3
SOIC127P600X175-8N [mm] "SOIC, 8-Leads, Body 5.40x3.90mm, Pitch 1.27mm, IPC Medium Density"
  oval 1.45x0.6 smd: 1(-2.725,1.905) 2(-2.725,0.635) 3(-2.725,-0.635) 4(-2.725,-1.905) 5(2.725,-1.905) 6(2.725,-0.635) 7(2.725,0.635) 8(2.725,1.905)
  silkscreen extent -2.85,-3 1.6,3
SOIC127P1030X265-8N [mm] "SOIC, 8-Leads, Body 5.85x7.50mm, Pitch 1.27mm, IPC Medium Density"
  oval 1.7x0.6 smd: 1(-4.8,1.905) 2(-4.8,0.635) 3(-4.8,-0.635) 4(-4.8,-1.905) 5(4.8,-1.905) 6(4.8,-0.635) 7(4.8,0.635) 8(4.8,1.905)
  silkscreen extent -4.92,-3.05 3.55,3.05
SOP64P600X175-16N [mm] "SOP, 16-Leads, Body 4.90x3.91mm, Pitch 0.64mm, IPC Medium Density"
  oval 1.45x0.45 smd: 1(-2.725,2.24) 2(-2.725,1.6) 3(-2.725,0.96) 4(-2.725,0.32) 5(-2.725,-0.32) 6(-2.725,-0.96) 7(-2.725,-1.6) 8(-2.725,-2.24) 9(2.725,-2.24) 10(2.725,-1.6) 11(2.725,-0.96) 12(2.725,-0.32) 13(2.725,0.32) 14(2.725,0.96) 15(2.725,1.6) 16(2.725,2.24)
  silkscreen extent -2.85,-2.5 1.6,3.14
TSOP65P490X110_HS-13N [mm] "TSOP, 12-Leads, Body 4.04x3.00mm, Pitch 0.65mm, Thermal Pad 2.95x1.55mm, IPC Medium Density"
  oval 1.35x0.5 smd: 1(-2.225,1.625) 2(-2.225,0.975) 3(-2.225,0.325) 4(-2.225,-0.325) 5(-2.225,-0.975) 6(-2.225,-1.625) 7(2.225,-1.625) 8(2.225,-0.975) 9(2.225,-0.325) 10(2.225,0.325) 11(2.225,0.975) 12(2.225,1.625)
  rect 1.55x2.95 smd: 13(0,0)
  silkscreen extent -2.35,-2.05 1.15,2.55
TSSOP50P490X110_HS-11N [mm] "TSSOP, 10-Leads, Body 3.00x3.00mm, Pitch 0.50mm, Thermal Pad 1.88x1.68mm, IPC Medium Density"
  oval 1.35x0.3 smd: 1(-2.225,1) 2(-2.225,0.5) 3(-2.225,0) 4(-2.225,-0.5) 5(-2.225,-1) 6(2.225,-1) 7(2.225,-0.5) 8(2.225,0) 9(2.225,0.5) 10(2.225,1)
  rect 1.68x1.88 smd: 11(0,0)
  silkscreen extent -2.35,-1.55 1.15,1.82
UVR1J472MRD-Footprint-1 [mm]
  round 2 hole 1.2: 1(-5.5,-2.5) 1(0,0) 1(5.5,-2.5)
  rect 2x2 hole 1.2: 2(-5.5,-7.5) 2(0,-10.541) 2(5.5,-7.5)
  silkscreen extent -11.5,-17.34 11.5,5.66
VQFN15_DEK_TEX [mil]
  rect 28x16 smd paste+0 mask+0: 1(-112.2,94.49) 7(-112.2,-94.49) 9(112.2,-94.49) 14(112.2,94.49)
  rect 28x12 smd paste+0 mask+0: 2(-112.2,64.96) 3(-112.2,13.78) 4(-112.2,-9.84) 5(-112.2,-33.46) 6(-112.2,-57.09) 10(112.2,-57.09) 11(112.2,-11.81) 12(112.2,13.78) 13(112.2,37.4)
  round 1 smd paste+0 mask+4: " "(0,-90.74) " "(0,90.74)
  silkscreen extent -164,-125 125,125
WL-SMCW_0805_150080xx75000 [mm] "SMD Mono-color Chip LED, body 2.0x1.25mm"
  rect 1.1x1.3 smd: 1(-1.05,0) 2(1.05,0)
  silkscreen extent -2,-0.6 0.25,0.6